# Altium PCB SAM_E54_Xplained_Pro.PcbDoc (part 3 of 5)
Units mm, origin at the board's own origin, x right, y up, seen from the top; angles counter-clockwise.
Board outline 80 x 100 mm, 4 copper layers (Top Layer LF-signals, GND, POWER, Bottom Layer LF-signals), stack 1.598 mm thick; 301 components, 262 nets, 1303 pads, 552 vias.
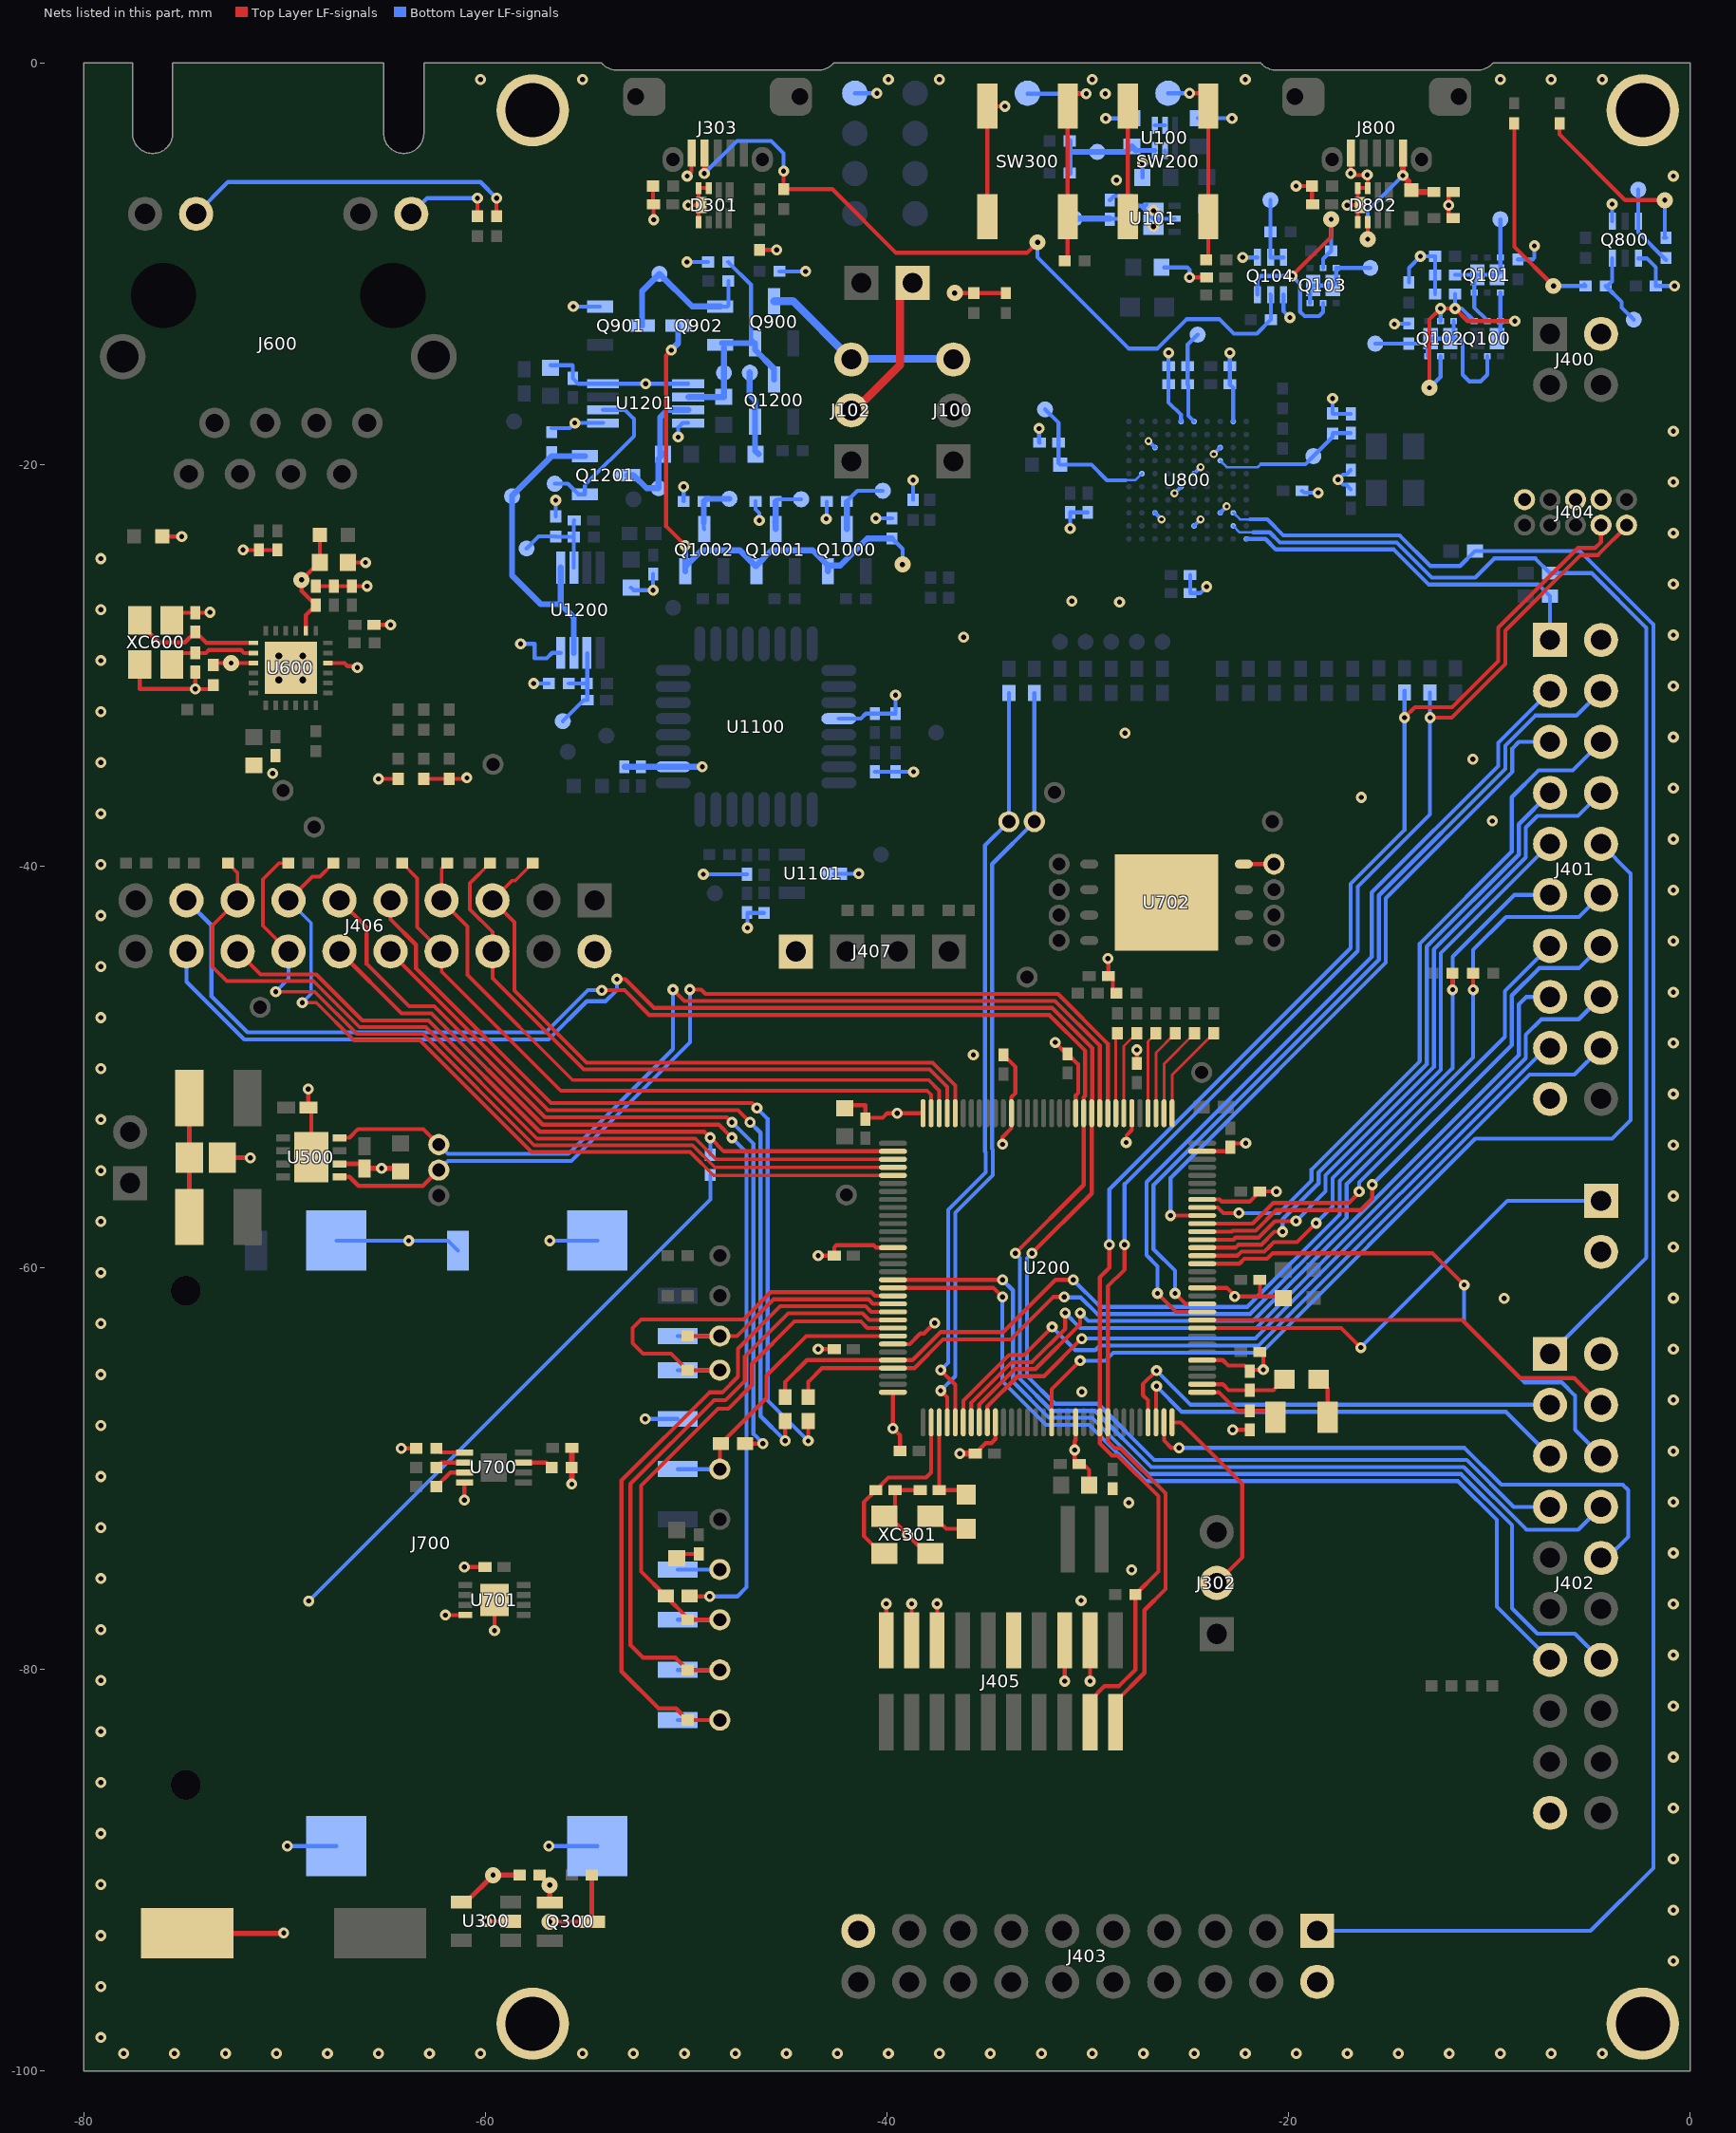
[diagram p5: the nets of this part, all layers, seen from the top]

## Via types
v1: diameter 0.55, hole 0.25, Top Layer LF-signals to Bottom Layer LF-signals, 333 vias
v2: diameter 0.55, hole 0.25, Top Layer LF-signals to Bottom Layer LF-signals, tented both sides, 116 vias
v3: diameter 0.55/0.8 (per signal layer), hole 0.25, Top Layer LF-signals to Bottom Layer LF-signals, tented top, 65 vias
v4: diameter 0.55, hole 0.25, Top Layer LF-signals to Bottom Layer LF-signals, tented top, 13 vias
v5: diameter 0.4, hole 0.2, Top Layer LF-signals to Bottom Layer LF-signals, tented top, 10 vias
v6: diameter 0.4, hole 0.2, Top Layer LF-signals to Bottom Layer LF-signals, tented both sides, 8 vias
v7: diameter 0.7, hole 0.35, Top Layer LF-signals to Bottom Layer LF-signals, 4 vias
v8: diameter 0.4, hole 0.2, Top Layer LF-signals to Bottom Layer LF-signals, 3 vias

## Nets (pads, with @x,y where several pads share a name; then routed paths per layer and width w, separated by ;. In a path a pad name is that pad's centre, name@x,y a point inside that pad or via, vN(x,y) a via of type N, cw(c..) or ccw(c..) an arc to the next point about the centre after c; other vN are vias at no path point) (continued)
GND: C100.2 C101.2 C102.2 C103.2 C104.1 C105.2 C200.2 C201.2 C202.2 C203.2 C204.2 C205.2 C206.2 C207.2 C208.2 C209.2 C210.2 C211.2 C212.2 C213.2 C214.2 C215.2 C216.2 C217.2 C300.2 C301.2 C302.2 C303.2 C304.2 C305.1 C500.2 C501.2 C502.2 C503.2 C600.2 C601.2 C602.1 C603.2 C604.2 C605.2 C606.2 C607.2 C608.2 C609.1 C613.2 C700.2 C701.2 C703.2 C704.2 C705.2 C800.2 C801.2 C802.2 C803.2 C804.2 C805.1 C806.2 C807.2 C808.2 C809.2 C810.2 C811.2 C812.2 C813.2 C814.2 C815.2 C1100.2 C1101.2 C1102.2 C1103.2 C1104.2 C1105.2 C1106.2 C1107.2 C1200.2 C1201.2 C1203.2 C1204.2 D301.3 D301.4 D301.5 D301.9 D802.3 D802.4 D802.5 D802.9 J303.5 J400.2@-4.43,-13.49 J401.2@-4.43,-28.73 J401.19@-6.97,-51.59 J402.2@-4.43,-64.29 J402.19@-6.97,-87.15 J403.2@-18.57,-95.57 J403.19@-41.43,-93.03 J404.3 J404.5 J404.9 J405.3 J405.5 J405.9 J405.15 J405.17 J405.19 J406.2 J407.4 J408.2 J700.3 J700.6 J700.11 J700.13 J700.14 J700.15 J700.16 J800.5 L602.1 pad.0@-20.725,-39.895 pad.0@-48.325,-75.03 pad.666 Q104.1 Q104.4 Q800.1 Q800.4 Q901.2 R100.1 R102.1 R104.2 R105.1 R106.1 R107.1 R112.1 R305.1 R306.1 R604.1 R616.1 R618.1 R619.1 R702.2 R703.1 R712.1 R807.1 R821.1 R822.1 R900.1 R901.1 R1003.1 R1004.1 R1005.1 R1006.1 R1106.1 R1205.1 R1207.1 R1209.1 SW200.1 SW200.2 SW300.1 SW300.2 TP800.1 U100.2 U100.4 U100.5 U101.3 U101.5 U101.7 U200.5 U200.14 U200.25 U200.31 U200.38 U200.45 U200.53 U200.64 U200.78 U200.90 U200.96 U200.106 U200.116 U300.2 U500.2 U500.9 U600.22 U600.25 U700.4 U701.4 U701.9 U702.0 U702.4 U800.B10 U800.C3 U800.C8 U800.E2 U800.E6 U800.F5 U800.F10 U800.H3 U800.H8 U1100.10 U1100.28 U1101.3 U1200.4 U1201.1 U1201.4 U1201.5 U1201.8 XC301.2 XC301.4 XC600.2 XC600.4 | length 236.4
  Top Layer LF-signals w0.2: XC600.2@-77.225,-29.955 -77.225,-31.175 v1(-74.45,-31.175) ; L602.1@-76.101,-23.577 v1(-75.127,-23.577) ; XC600.4@-75.25,-27.38 C602.1@-74.45,-27.38 -73.755,-27.38 v1(-73.725,-27.35) ; C609.1@-74.45,-30.33 v1(-74.45,-31.175) ; R604.1@-73.557,-30.98 -73.757,-31.18 -74.45,-31.18 v1(-74.45,-31.175) ; v1(-72.075,-24.25) C606.2@-71.288,-24.25 C605.2@-70.363,-24.25 ; v1(-68.825,-51.1) C503.2@-68.825,-52.025 -68.675,-52.175 U500.9@-68.675,-54.5 ; C600.2@-68.45,-26.05 C607.2@-67.55,-26.05 C608.2@-66.65,-26.05 v1(-65.901,-26.05) ; U600.22@-67.84,-29.88 -67.025,-29.88 -66.865,-30.04 -66.458,-30.04 v1(-66.385,-30.113) ; C601.2@-66.85,-24.875 v1(-65.976,-24.875) ; C613.2@-65.55,-27.975 v1@-64.73,-27.975 ; v1(-65.325,-35.65) R616.1@-64.35,-35.65 ; v1(-64.2,-69) R702.2@-63.45,-69 ; R618.1@-63.075,-35.65 R619.1@-61.8,-35.65 -60.975,-35.65 v1(-60.925,-35.6) ; v1(-62,-77.3) U701.4@-61,-77.3 ; v1(-61.05,-74.9) C701.2@-60.025,-74.9 ; v1(-61.05,-71.575) U700.4@-61.05,-70.7 ; v1(-59.975,-92.55) U300.2@-58.75,-92.55 ; v1(-59.55,-78.075) U701.9@-59.55,-76.55 ; C305.1@-51.653,-7 R306.1@-51.653,-6.125 ; C305.1@-51.628,-7.025 -51.628,-7.797 v1(-51.625,-7.8) ; C704.2@-50.475,-74.476 -50.25,-74.251 C705.2@-49.365,-74.251 ; v1(-49.952,-5.625) -49.734,-5.407 J303.5@-49.734,-4.475 ; v1(-49.91,-7.075) D301.9@-49.264,-7.075 ; D301.5@-49.384,-7.925 D301.9@-49.384,-7.195 ; D301.9@-49.384,-6.955 D301.4@-49.384,-6.225 D301.3@-48.884,-6.225 ; R305.1@-46.35,-9.3 v1(-45.5,-9.3) ; v1(-43.425,-64.05) C213.2@-42.65,-64.05 ; v1(-43.425,-59.4) C212.2@-42.625,-59.4 -42.625,-58.985 -42.515,-58.875 -40.668,-58.875 -40.543,-59 U200.78@-39.7,-59 ; C213.2@-42.65,-64.025 C213.2@-42.625,-64.05 ; C217.2@-42.1,-52.103 -41.897,-51.9 -41.075,-51.9 C211.2@-41.075,-52.6 ; C211.2@-41,-52.525 -40.214,-52.525 -39.989,-52.3 v1(-39.488,-52.3) U200.64@-38.2,-52.3 ; J405.19@-40.04,-78.565 v1(-40.04,-76.734) ; U200.96@-39.7,-66.2 v1(-39.7,-68) -39.35,-68.35 C214.2@-39.35,-69.125 ; U200.90@-39.7,-63.8 -38.86,-63.8 -38.337,-63.277 -38.15,-63.277 v1(-37.627,-62.753) ; J405.17@-38.77,-78.565 v1(-38.77,-76.734) ; C302.2@-38.35,-71.075 C303.2@-39.6,-71.075 -39.6,-71.85 XC301.4@-40.125,-72.375 -39.9,-72.375 v1(-38.975,-73.3) -38.05,-74.225 XC301.2@-37.825,-74.225 ; J405.15@-37.5,-78.565 v1(-37.5,-76.734) ; C215.2@-35.6,-69.25 -35.082,-68.732 -34.8,-68.732 -34.6,-68.532 U200.106@-34.6,-67.7 ; SW300.1@-35,-7.65 SW300.2@-35,-2.15 v4(-34.125,-2.15) ; v1(-34.241,-53.85) -34.241,-53.496 -33.8,-53.055 U200.53@-33.8,-52.3 -33.8,-51.5 -33.6,-51.3 -33.6,-50 C210.2@-34.2,-49.4 ; v1(-31.625,-48.775) -31.05,-49.35 C209.2@-31,-49.35 -30.475,-49.875 -30.475,-51.292 -30.6,-51.417 U200.45@-30.6,-52.3 ; v1(-31.15,-80.59) J405.5@-31.15,-78.565 ; v1@-30.65,-69 v1(-30.65,-69.075) -30.65,-69.525 C201.2@-30.425,-69.75 ; v1@-30.6,-68.975 -30.65,-68.925 -30.65,-68.638 -30.6,-68.588 U200.116@-30.6,-67.7 ; C201.2@-30.3,-69.7 -29.925,-70.075 C202.2@-29.925,-70.775 ; v1(-29.88,-80.59) J405.3@-29.88,-78.565 ; v1(-29,-44.6) -28.975,-44.625 C703.2@-28.975,-45.475 -28.749,-45.701 -28.749,-46.176 R712.1@-28.55,-46.375 ; -28.067,-53.402 -27.8,-53.134 U200.38@-27.8,-52.3 ; SW200.1@-28,-7.65 SW200.2@-28,-2.15 ; C208.2@-27.55,-49.825 v1(-27.55,-49.15) ; v1(-24.925,-10.675) C200.2@-24.075,-10.675 ; U200.14@-24.3,-61 -23.075,-61 -22.65,-61.425 -21.425,-61.425 ; U200.25@-24.3,-56.6 -23.422,-56.6 -23.322,-56.7 -21.946,-56.7 -21.921,-56.675 -21.9,-56.675 C205.2@-21.425,-56.2 v1(-20.6,-56.2) ; U200.31@-24.3,-54.2 -23.1,-54.2 C207.2@-22.9,-54 -22.7,-53.8 v1(-22.125,-53.8) ; U200.5@-24.25,-64.6 -23.275,-64.6 -23,-64.875 -22.202,-64.875 C300.2@-21.927,-65.15 -21.855,-65.078 v1@-21.428,-65.078 ; v1(-22.775,-68.075) C301.2@-21.925,-68.075 ; U702.4@-22.225,-39.895 pad.0@-20.725,-39.895 ; C203.2@-21.425,-64.2 -21.251,-64.374 v1(-21.251,-65.078) ; C204.2@-21.425,-60.6 -21.425,-61.425 ; C206.2@-20.25,-61.505 -20.33,-61.425 -21.425,-61.425 ; v1(-19.625,-6.125) R822.1@-18.825,-6.125 C805.1@-18.825,-7 ; v1(-17.076,-7.075) D802.9@-16.43,-7.075 -16.55,-7.195 D802.5@-16.55,-7.925 ; J800.5@-16.9,-4.475 v1(-16.9,-5.5) -16.825,-5.575 v1(-16.076,-5.575) -16.05,-5.601 D802.3@-16.05,-6.225 D802.4@-16.55,-6.225 D802.9@-16.55,-6.955 ; C803.2@-11.8,-7.725 -12.025,-7.5 v2(-12.025,-7.075) -12.025,-6.65 C802.2@-11.8,-6.425
  Top Layer LF-signals w0.25: C304.2@-74.85,-93.15 v1@-70.075,-93.15 ; C500.2@-73.1,-54.512 -71.722,-54.512 v1(-71.71,-54.525) ; U500.2@-67.263,-54.825 -66.25,-54.825 C502.2@-66.025,-55.05 v1(-65.175,-55.05) -64.385,-55.05 C501.2@-64.231,-55.204
  Top Layer LF-signals w0.3: v1(-55.7,-70.775) C700.2@-55.7,-69.025 ; v1(-36.375,-69.25) C215.2@-35.6,-69.25
  Bottom Layer LF-signals w0.2: v1(-69.875,-88.8) J700.15@-67.425,-88.8 ; J700.14@-67.425,-58.65 v1(-63.825,-58.65) -61.875,-58.65 J700.11@-61.375,-59.15 ; v1(-58.25,-28.925) -57.55,-28.925 -57.55,-29.65 -56.95,-29.65 -56.675,-29.375 U1200.4@-56.25,-29.375 ; v1(-57.6,-30.9) R1205.1@-56.85,-30.9 ; v1(-56.85,-88.8) J700.16@-54.425,-88.8 ; v1(-56.8,-58.65) J700.13@-54.425,-58.65 ; C1203.2@-56.75,-15.052 -55.673,-15.052 -55.65,-15.075 C1204.2@-55.65,-15.7 -55.375,-15.975 U1201.8@-54.15,-15.975 v1(-52.025,-15.975) U1201.1@-49.9,-15.975 ; R1207.1@-56.7,-18.175 -55.8,-18.175 v1(-55.55,-17.925) U1201.5@-54.15,-17.925 ; R1209.1@-56.5,-22.575 v1(-56.5,-21.775) ; v1(-55.625,-12.125) Q901.2@-54.3,-12.125 ; C1201.2@-52.75,-26.125 -52.625,-26.25 v1(-51.65,-26.25) C1200.2@-51.65,-25.45 ; v1(-52.05,-67.53) J700.6@-50.425,-67.53 ; J700.3@-50.425,-75.03 pad.0@-48.325,-75.03 ; v1(-50.4,-18.625) -50.4,-18.15 -50.175,-17.925 U1201.4@-49.9,-17.925 ; R1005.1@-50.125,-21.825 v2(-50.125,-21.1) ; v1@-49.975,-5.65 -49.975,-5.648 v1(-49.952,-5.625) ; v1(-49.961,-9.908) R900.1@-48.912,-9.908 ; v1(-49.15,-40.4) C1107.2@-46.975,-40.4 ; v1(-46.95,-43.075) -46.95,-42.325 R1106.1@-46.125,-42.325 ; R1004.1@-46.55,-21.825 -46.55,-22.225 -46.359,-22.416 v1(-46.359,-22.775) ; R901.1@-45.35,-10.375 v1(-44.05,-10.375) ; v2(-43.024,-22.7) -43,-22.676 R1003.1@-43,-21.85 ; U1101.3@-42.635,-40.375 v1(-41.4,-40.375) ; U1100.28@-42.399,-32.651 -41.301,-32.651 -41.05,-32.4 C1102.2@-39.575,-32.4 -39.577,-32.398 v1(-39.577,-31.477) ; TP800.1@-41.6,-1.5 v4(-40.5,-1.5) ; C1100.2@-40.6,-35.3 C1103.2@-39.575,-35.3 v1(-38.675,-35.3) ; v1(-40.55,-22.675) R1006.1@-39.75,-22.675 ; R112.1@-38.7,-21.75 v1(-38.7,-20.775) ; v2(-32.427,-18.201) -32.427,-18.873 C806.2@-32.4,-18.9 ; v2(-30.875,-23.175) C814.2@-30.875,-22.375 C813.2@-30,-22.375 ; v1(-29.101,-2.752) C100.2@-27.8,-2.752 ; C104.1@-28.9,-6.825 -28.7,-6.625 -27.775,-6.625 U101.3@-27.775,-7.1 -27.375,-7.1 ; v1(-27.276,-4.975) -27.273,-4.978 C102.2@-27.273,-5.7 ; U101.7@-27.075,-7.05 -27.125,-7.1 -27.375,-7.1 ; v5(-26.975,-18.825) U800.H8@-26.65,-19.15 ; U800.H3@-26.65,-22.4 v6(-26.325,-22.725) ; U100.4@-26.65,-3.1 U100.5@-26.15,-3.1 ; C105.2@-26.2,-10.175 -25.05,-10.175 -24.925,-10.3 v1(-24.925,-10.675) ; U100.2@-26.175,-4.4 U100.2@-26.125,-4.45 ; U100.2@-26.15,-4.4 U100.2@-26.15,-4.35 ; v2(-25.975,-14.425) C807.2@-25.975,-15.1 C808.2@-25.975,-16 -25.975,-16.9 -25.35,-17.525 U800.F10@-25.35,-17.85 ; v5(-25.675,-21.425) U800.F5@-25.35,-21.1 ; U101.5@-25.675,-7.75 U101.7@-26.725,-7.75 -27.375,-7.1 ; C812.2@-24.9,-25.5 C815.2@-24.9,-26.4 -24.4,-26.4 v1(-24.075,-26.075) ; U800.E2@-24.7,-23.05 v5(-24.375,-22.725) ; U800.E6@-24.7,-20.45 v5(-24.375,-20.125) ; C101.2@-24.5,-2.75 v1(-22.814,-2.75) ; v1@-24.125,-26.25 v1@-24.05,-26.25 ; v5(-23.725,-19.475) U800.C8@-23.4,-19.15 ; U800.C3@-23.4,-22.4 v6(-23.075,-22.075) ; v2(-22.925,-14.425) C809.2@-22.925,-15.1 C810.2@-22.925,-16 -22.75,-16.175 U800.B10@-22.75,-17.85 ; v1(-22.275,-9.675) -22.271,-9.679 Q104.1@-21.544,-9.679 ; Q104.4@-20.244,-11.529 -20.244,-12.358 v1(-19.927,-12.675) ; C811.2@-19.325,-21.3 -19.225,-21.4 v4(-18.525,-21.4) ; R821.1@-17.8,-17.45 -17.775,-17.475 C804.2@-16.9,-17.475 ; R821.1@-17.8,-17.425 v4(-17.8,-16.7) ; C800.2@-16.9,-21.225 -17.125,-21 -17.28,-21 v1(-17.53,-20.75) -17.283,-20.503 -17.128,-20.503 C801.2@-16.9,-20.275 ; v1(-14.725,-13) -14.7,-12.975 R105.1@-14,-12.975 ; R107.1@-14,-10.925 -14,-10.2 v1(-13.426,-9.626) R106.1@-12.7,-9.625 ; R102.1@-12.7,-11.5 R106.1@-12.7,-9.675 ; R100.1@-8.575,-9.775 -7.825,-9.775 -7.75,-9.7 v1(-7.75,-9.1) ; Q800.1@-3.875,-7.875 v4(-3.875,-7.025) ; Q800.4@-2.575,-9.725 -2.15,-9.725 -1.7,-10.175 R807.1@-1.7,-11.1 ; R807.1@-1.65,-11.05 -1.6,-11.1 v4(-0.775,-11.1)
  Bottom Layer LF-signals w0.3: C1105.2@-53.075,-35.05 U1100.10@-50.649,-35.051 v1(-49.2,-35.051)
  other v1: -70.05,-93.125 -30.33,-76.575 -27.818,-75.05 -27.95,-71.7 -30.3,-66.175 -9.25,-61.525 -22.677,-61.425 -28.083,-53.757 -35.7,-49.4 -9.85,-37.75 -16.371,-36.575 -70.603,-35.377 -10.819,-34.673 -28.15,-33.375 -36.179,-28.6 -64.725,-27.98 -28.417,-26.839 -30.79,-26.8 -26.725,-8.15 -26.725,-7.35 -28.575,-5.825
  other v2: -78.03,-99.14 -75.49,-99.14 -72.95,-99.14 -70.41,-99.14 -67.87,-99.14 -65.33,-99.14 -62.79,-99.14 -60.25,-99.14 -55.17,-99.14 -52.63,-99.14 -50.09,-99.14 -47.55,-99.14 -45.01,-99.14 -42.47,-99.14 -39.93,-99.14 -37.39,-99.14 -34.85,-99.14 -32.31,-99.14 -29.77,-99.14 -27.23,-99.14 -24.69,-99.14 -22.15,-99.14 -19.61,-99.14 -17.07,-99.14 -14.53,-99.14 -11.99,-99.14 -9.45,-99.14 -6.91,-99.14 -4.37,-99.14 -79.165,-98.34 -79.165,-95.8 -0.83,-94.53 -79.165,-93.26 -0.83,-91.99 -79.165,-90.72 -0.83,-89.45 -79.165,-88.18 -0.83,-86.91 -79.165,-85.64 -0.83,-84.37 -79.165,-83.1 -0.83,-81.83 -79.165,-80.56 -0.83,-79.29 -79.165,-78.02 -0.83,-76.75 -79.165,-75.48 -0.83,-74.21 -79.165,-72.94 -0.83,-71.67 -79.165,-70.4 -0.83,-69.13 -79.165,-67.86 -0.83,-66.59 -79.165,-65.32 -0.83,-64.05 -79.165,-62.78 -0.83,-61.51 -79.165,-60.24 -0.83,-58.97 -79.165,-57.7 -0.83,-56.43 -79.165,-55.16 -0.83,-53.89 -79.165,-52.62 -0.83,-51.35 -79.165,-50.08 -0.83,-48.81 -79.165,-47.54 -0.83,-46.27 -79.165,-45 -0.83,-43.73 -79.165,-42.46 -0.83,-41.19 -79.165,-39.92 -0.83,-38.65 -79.165,-37.38 -0.83,-36.11 -79.165,-34.84 -0.83,-33.57 -79.165,-32.3 -0.83,-31.03 -79.165,-29.76 -0.83,-28.49 -79.165,-27.22 -0.83,-25.95 -79.165,-24.68 -0.83,-23.41 -0.83,-20.87 -0.83,-18.33 -0.83,-5.63 -29.125,-1.525 -60.25,-0.82 -55.17,-0.82 -39.93,-0.82 -37.39,-0.82 -29.77,-0.82 -22.15,-0.82 -9.45,-0.82 -6.91,-0.82 -4.37,-0.82
  other v7: -70.3,-30.73 -69.1,-30.73 -70.3,-29.53 -69.1,-29.53
ID1: J401.1@-6.97,-28.73 R800.1 U800.A1 | length 18.5
  Bottom Layer LF-signals w0.2: U800.A1@-22.1,-23.7 -21.15,-23.7 -20.625,-24.225 -14.75,-24.225 -13,-25.975 -7.55,-25.975 R800.1@-6.975,-26.55 -6.975,-28.725 J401.1@-6.97,-28.73
ID2: J402.1@-6.97,-64.29 R801.1 U800.B2 | length 61.6
  Bottom Layer LF-signals w0.125: U800.B2@-22.75,-23.05 -22.425,-23.375 -21.75,-23.375
  Bottom Layer LF-signals w0.2: -21.744,-23.369 -20.931,-23.369 -20.425,-23.875 -14.605,-23.875 -12.855,-25.625 -10.7,-25.625 -9.75,-24.675 -7.7,-24.675 R801.1@-6.975,-25.4 -4.9,-25.4 -2.175,-28.125 -2.175,-59.495 J402.1@-6.97,-64.29
ID3: J403.1@-18.57,-93.03 R823.1 U800.B3 | length 103.8
  Bottom Layer LF-signals w0.125: U800.B3@-22.75,-22.4 -22.422,-22.729 -21.949,-22.729
  Bottom Layer LF-signals w0.15: -21.949,-22.729 -21.935,-22.743
  Bottom Layer LF-signals w0.2: -21.917,-22.725 -21.055,-22.725 -20.255,-23.525 -14.46,-23.525 -12.935,-25.05 -11.453,-25.05 R823.1@-10.703,-24.3 -5.486,-24.3 -1.825,-27.961 -1.825,-89.9 -4.955,-93.03 J403.1@-18.57,-93.03
MAC24_A0: R702.1 U700.1 | length 1.5
  Top Layer LF-signals w0.2: R702.1@-62.45,-69 -62.25,-69.2 U700.1@-61.05,-69.2
MAC24_A1: R701.1 U700.2 | length 1.5
  Top Layer LF-signals w0.2: R701.1@-62.45,-69.95 -62.2,-69.7 U700.2@-61.05,-69.7
MAC24_A2: R700.1 U700.3 | length 1.7
  Top Layer LF-signals w0.2: R700.1@-62.45,-70.9 -61.75,-70.2 U700.3@-61.05,-70.2
MAC24_WP: R703.2 U700.7 | length 1.5
  Top Layer LF-signals w0.2: U700.7@-58.1,-69.7 -56.976,-69.7 -56.714,-69.963 R703.2@-56.701,-69.975
NetC100_1: C100.1 pad.3@-29.525,-4.424 R101.2 R103.2 U100.3 | length 6
  Bottom Layer LF-signals w0.25: C100.1@-27.599,-4.35 U100.3@-26.65,-4.35
  Bottom Layer LF-signals w0.3: R103.2@-30.9,-5.475 -30.9,-4.424 ; R101.2@-30.9,-3.879 -30.9,-4.424 ; C100.1@-27.8,-4.15 -28.073,-4.424 pad.3@-29.525,-4.424 -30.9,-4.424 ; C100.1@-27.8,-4.15 C100.1@-27.599,-4.35
NetC104_2: C104.2 pad.3@-30.65,-7.75 U101.2 | length 2.9
  Bottom Layer LF-signals w0.2: C104.2@-28.9,-7.75 U101.2@-27.775,-7.75
  Bottom Layer LF-signals w0.3: pad.3@-30.65,-7.75 C104.2@-28.9,-7.75
NetC500_1: C500.1 R500.1 R501.2 | length 5.9
  Top Layer LF-signals w0.25: R500.1@-74.75,-57.475 C500.1@-74.75,-54.512 R501.2@-74.75,-51.55
NetC600_1: C600.1 C601.1 L600.2 U600.2 | length 5.7
  Top Layer LF-signals w0.2: U600.2@-68.95,-28.27 -68.95,-27.5 C600.1@-68.45,-27 -69.162,-26.288 v3(-69.162,-25.737) -68.3,-24.875 C601.1@-68.25,-24.875 L600.2@-68.25,-23.5
NetC602_2: C602.2 U600.7 XC600.1 | length 6.7
  Top Layer LF-signals w0.2: XC600.1@-77.225,-27.755 -77.225,-27.905 -76.275,-28.855 -74.975,-28.855 C602.2@-74.45,-28.33 -73.9,-28.88 U600.7@-71.56,-28.88
NetC609_2: C609.2 U600.8 XC600.3 | length 4.4
  Top Layer LF-signals w0.2: XC600.3@-75.625,-29.955 -75.05,-29.38 C609.2@-74.45,-29.38 -73.925,-29.38 -73.775,-29.23 -72.175,-29.23 -72.025,-29.38 U600.8@-71.56,-29.38
NetC802_1: C802.1 D802.6 J800.1 L800.1 | length 7.8
  Top Layer LF-signals w0.2: v3(-16.05,-8.775) D802.6@-16.05,-7.925 ; L800.1@-14.025,-6.175 L800.1@-13.875,-6.325
  Top Layer LF-signals w0.3: J800.1@-14.3,-4.475 v1(-14.3,-5.6) -14.025,-5.875 L800.1@-14.025,-6.175 ; L800.1@-13.775,-6.425 C802.1@-12.75,-6.425
  Bottom Layer LF-signals w0.2: v3(-16.05,-8.775) -16.05,-7.35 v1(-14.3,-5.6)
NetC804_1: C804.1 pad.3@-18.757,-19.575 R821.2 U800.C7 | length 7.4
  Bottom Layer LF-signals w0.125: U800.C7@-23.4,-19.8 -23.075,-20.125 -21.525,-20.125 -21.375,-19.975
  Bottom Layer LF-signals w0.2: -21.375,-19.975 -19.157,-19.975 pad.3@-18.757,-19.575 -17.8,-18.618 R821.2@-17.8,-18.45 ; R821.2@-17.775,-18.425 C804.1@-16.9,-18.425
NetC806_1: C806.1 L801.2 pad.3@-32.125,-17.25 U800.J6 | length 7.6
  Bottom Layer LF-signals w0.125: -28.115,-20.775 -27.625,-20.775 U800.J6@-27.3,-20.45
  Bottom Layer LF-signals w0.2: pad.3@-32.125,-17.25 -31.45,-17.925 C806.1@-31.45,-18.9 -31.45,-19.925 L801.2@-31.375,-20 -29.816,-20 -29.041,-20.775 -28.115,-20.775
NetC807_1: C807.1 C808.1 pad.3@-24.525,-13.525 U800.E10 | length 4.7
  Bottom Layer LF-signals w0.2: U800.E10@-24.7,-17.85 -24.987,-17.563 -24.987,-16.038 C808.1@-25.025,-16 C807.1@-25.025,-15.1 -25.025,-14.025 pad.3@-24.525,-13.525
NetC1202_1: C1202.1 pad.3@-56.15,-32.775 R1203.1 R1205.2 U1200.2 | length 4.9
  Bottom Layer LF-signals w0.2: pad.3@-56.15,-32.775 -55.1,-31.725 C1202.1@-54.925,-31.725 -54.925,-30.9 U1200.2@-54.925,-29.4 ; R1205.2@-55.85,-30.9 R1203.1@-54.95,-30.9
NetC1206_1: C1206.1 pad.3@-57.95,-24.175 R1208.1 R1209.2 U1200.6 | length 5
  Bottom Layer LF-signals w0.2: pad.3@-57.95,-24.175 -57.35,-23.575 R1209.2@-56.5,-23.575 ; R1209.2@-56.5,-23.6 R1208.1@-55.6,-23.6 ; U1200.6@-55.6,-25.125 R1208.1@-55.6,-23.6 ; C1206.1@-55.575,-22.775 -55.6,-22.8 R1208.1@-55.6,-23.6
NetCS300_1: CS300.1 R308.1 | length 29.5
  Bottom Layer LF-signals w0.2: v2(-68.8,-76.6) -48.8,-56.6 R308.1@-48.8,-55.375
NetD300_2: D300.2 R301.1 | length 2.6
  Top Layer LF-signals w0.2: v3(-36.625,-11.45) R301.1@-35.675,-11.45 D300.2@-34.075,-11.45
NetD800_1: D800.1 R805.2 | length 10.6
  Top Layer LF-signals w0.2: D800.1@-8.75,-3 -8.75,-9.15 v3(-6.8,-11.1)
  Bottom Layer LF-signals w0.2: v3(-6.8,-11.1) R805.2@-5.2,-11.1 R805.2@-5.275,-11.025
NetD801_1: D801.1 R806.2 | length 9.2
  Top Layer LF-signals w0.2: D801.1@-6.5,-3 -6.5,-3.55 -3.225,-6.825 v3(-1.25,-6.825)
  Bottom Layer LF-signals w0.2: R806.2@-1.3,-8.7 R806.2@-1.2,-8.7 -1.25,-8.65 v3(-1.25,-6.825)
NetJ100_3: J100.3@-36.696,-14.76 J102.3@-41.776,-14.76 Q900.3 | length 10.2
  Bottom Layer LF-signals w0.4: Q900.3@-45.625,-11.85 -44.686,-11.85 J102.3@-41.806,-14.73 ; J102.3@-41.776,-14.76 J102.3@-41.806,-14.73 ; J100.3@-36.696,-14.73 -41.776,-14.73 J102.3@-41.806,-14.73
NetJ102_2: J102.2@-41.776,-17.3 J103.2 | length 7.5
  Top Layer LF-signals w0.4: J102.2@-41.575,-17.27 -39.35,-15.045 -39.35,-11.57 J103.2@-38.73,-10.95
NetJ300_1: J300.1 XC300.2 | length 2.1
  Top Layer LF-signals w0.2: J300.1@-18.5,-65.55 -18.05,-66 XC300.2@-18.05,-67.45
NetJ301_1: J301.1 XC301.3 | length 2.2
  Top Layer LF-signals w0.2: XC301.3@-37.825,-72.375 -37.4,-72.375 -37.4,-72.65 -37.05,-73 J301.1@-36.05,-73
NetJ303_4: J303.4 Q104.5 R110.1 R307.1 | length 38.6
  Top Layer LF-signals w0.2: v1(-45.15,-5.375) R307.1@-45.15,-6.275 -42.725,-6.275 -39.55,-9.45 -33.025,-9.45 v3(-32.5,-8.925)
  Top Layer LF-signals w0.25: v1(-49.1,-5.5) -49.084,-5.484 J303.4@-49.084,-4.475
  Bottom Layer LF-signals w0.2: v1(-49.1,-5.5) -47.475,-3.875 -45.774,-3.875 -45.15,-4.499 v1(-45.15,-5.375) ; v3(-32.5,-8.925) -32.5,-9.675 -27.95,-14.225 -26.541,-14.225 -25.066,-12.75 -23.45,-12.75 -22.725,-13.475 -21.575,-13.475 R110.1@-20.875,-12.775 -20.875,-11.548 Q104.5@-20.894,-11.529